# Altium PCB OpenFAN_Base_Pi2040.PcbDoc
Units mm, origin at the board's own origin, x right, y up, seen from the top; angles counter-clockwise.
Board outline 70.88 x 53.47 mm, 2 copper layers (Top Layer, Bottom Layer), stack 1.57 mm thick; 97 components, 62 nets, 344 pads, 67 vias.
Unrouted connection lines stored in the file: 1.
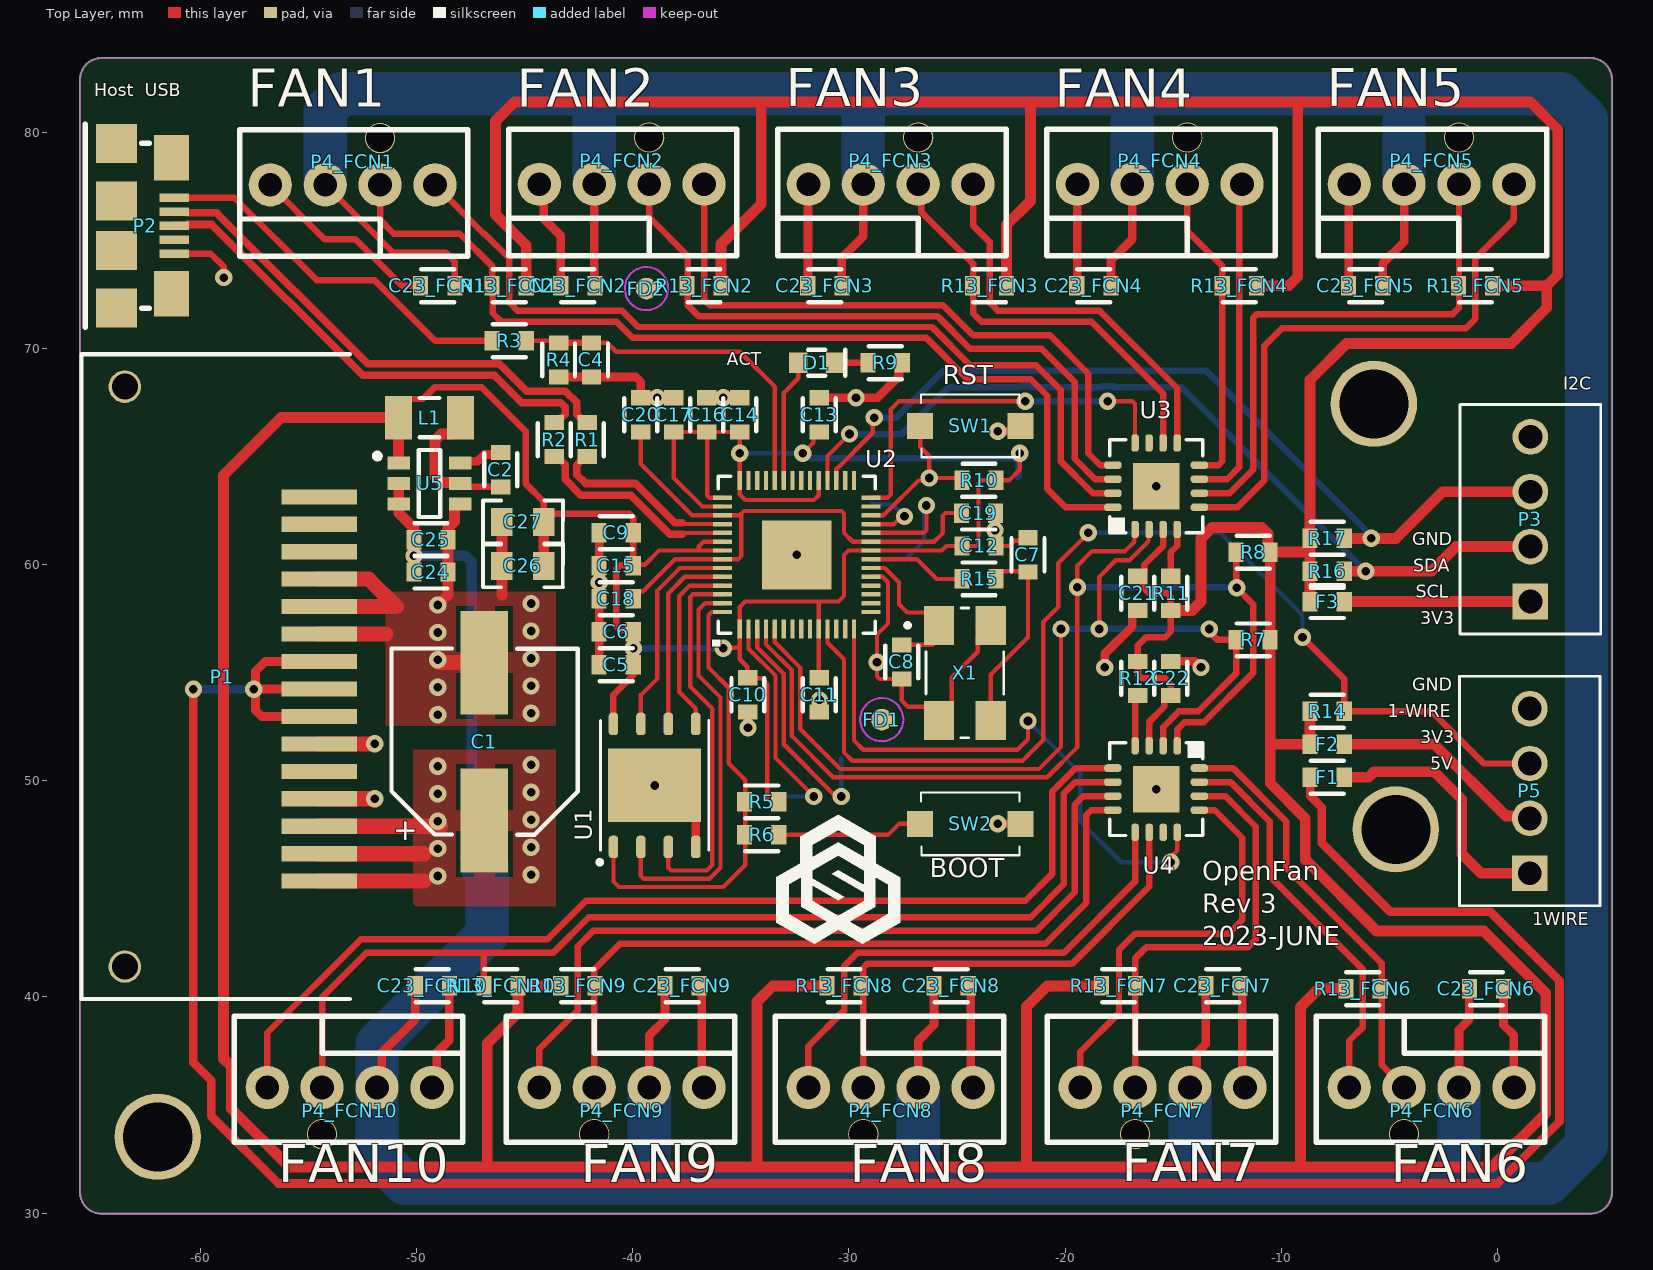
[diagram p0: Top Layer view]
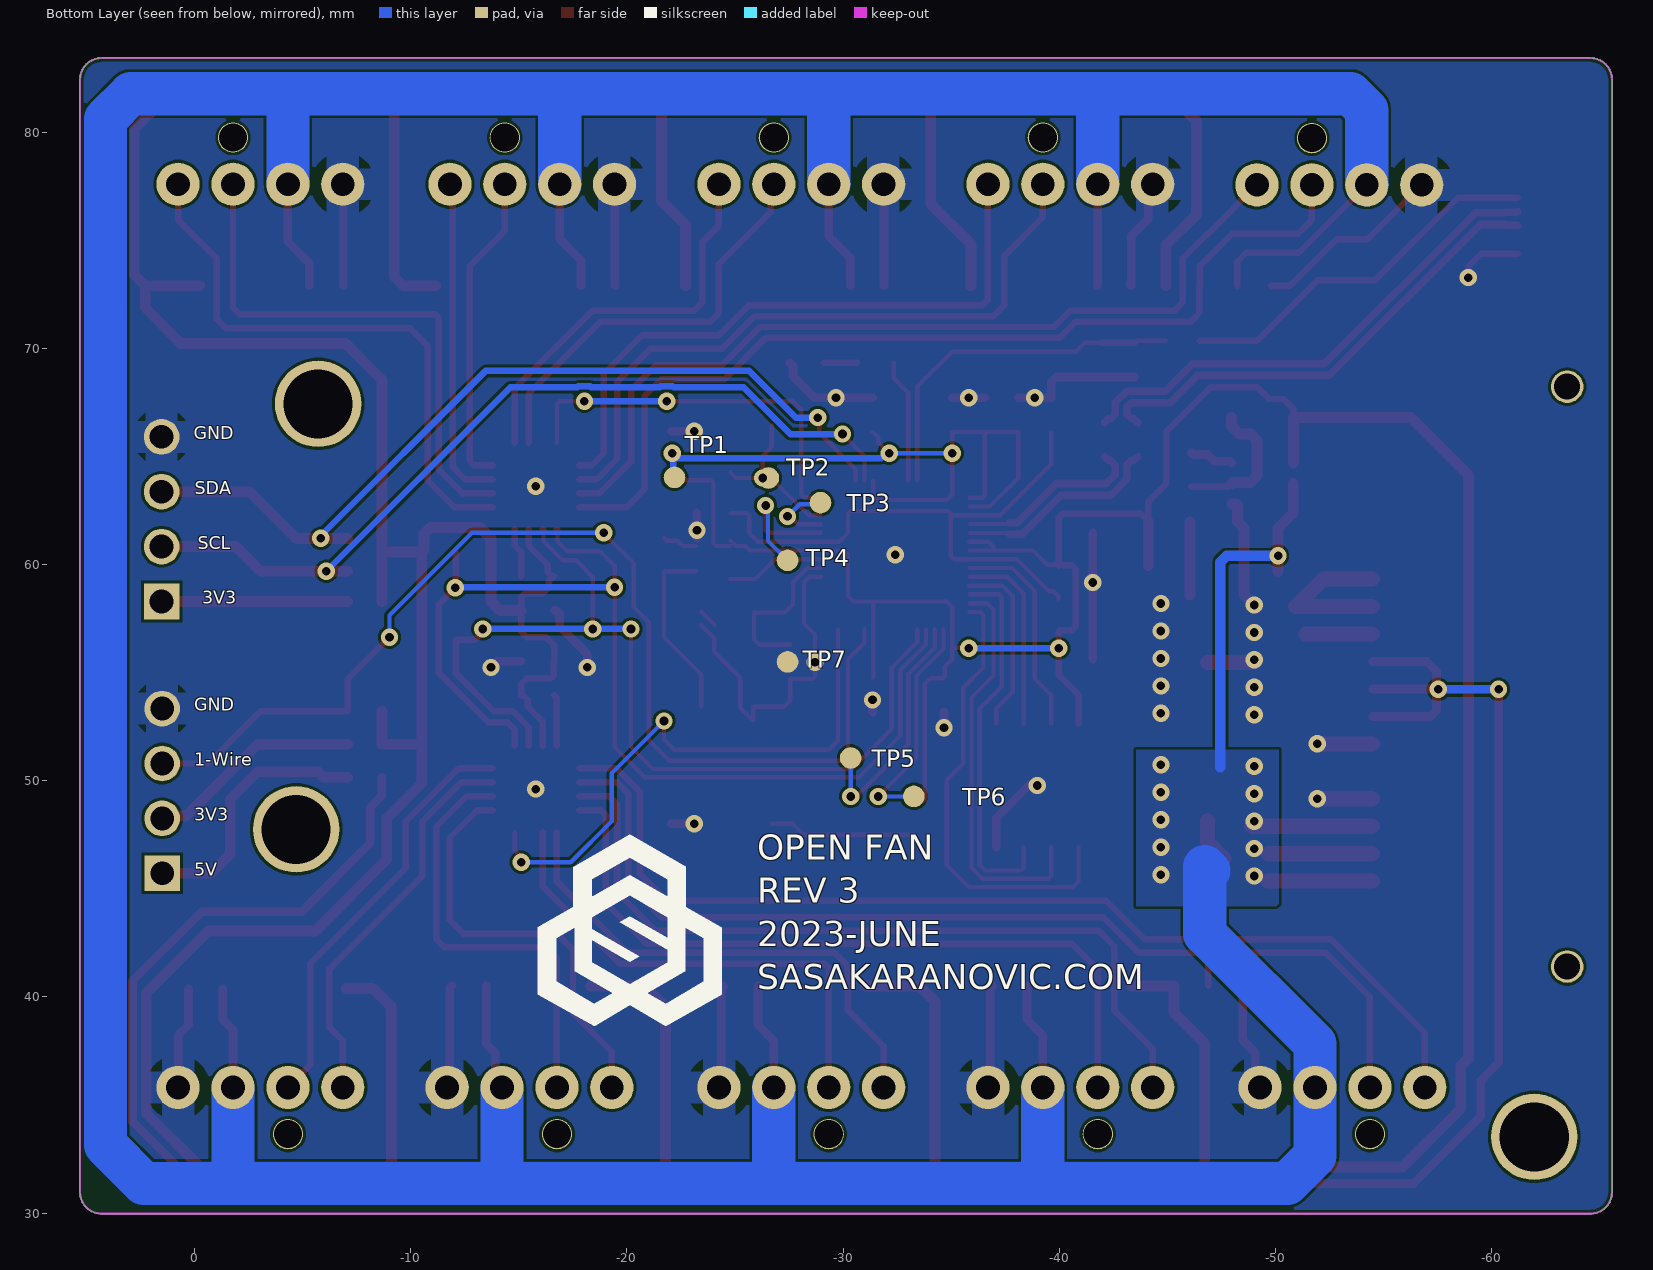
[diagram p1: Bottom Layer view, seen from below]
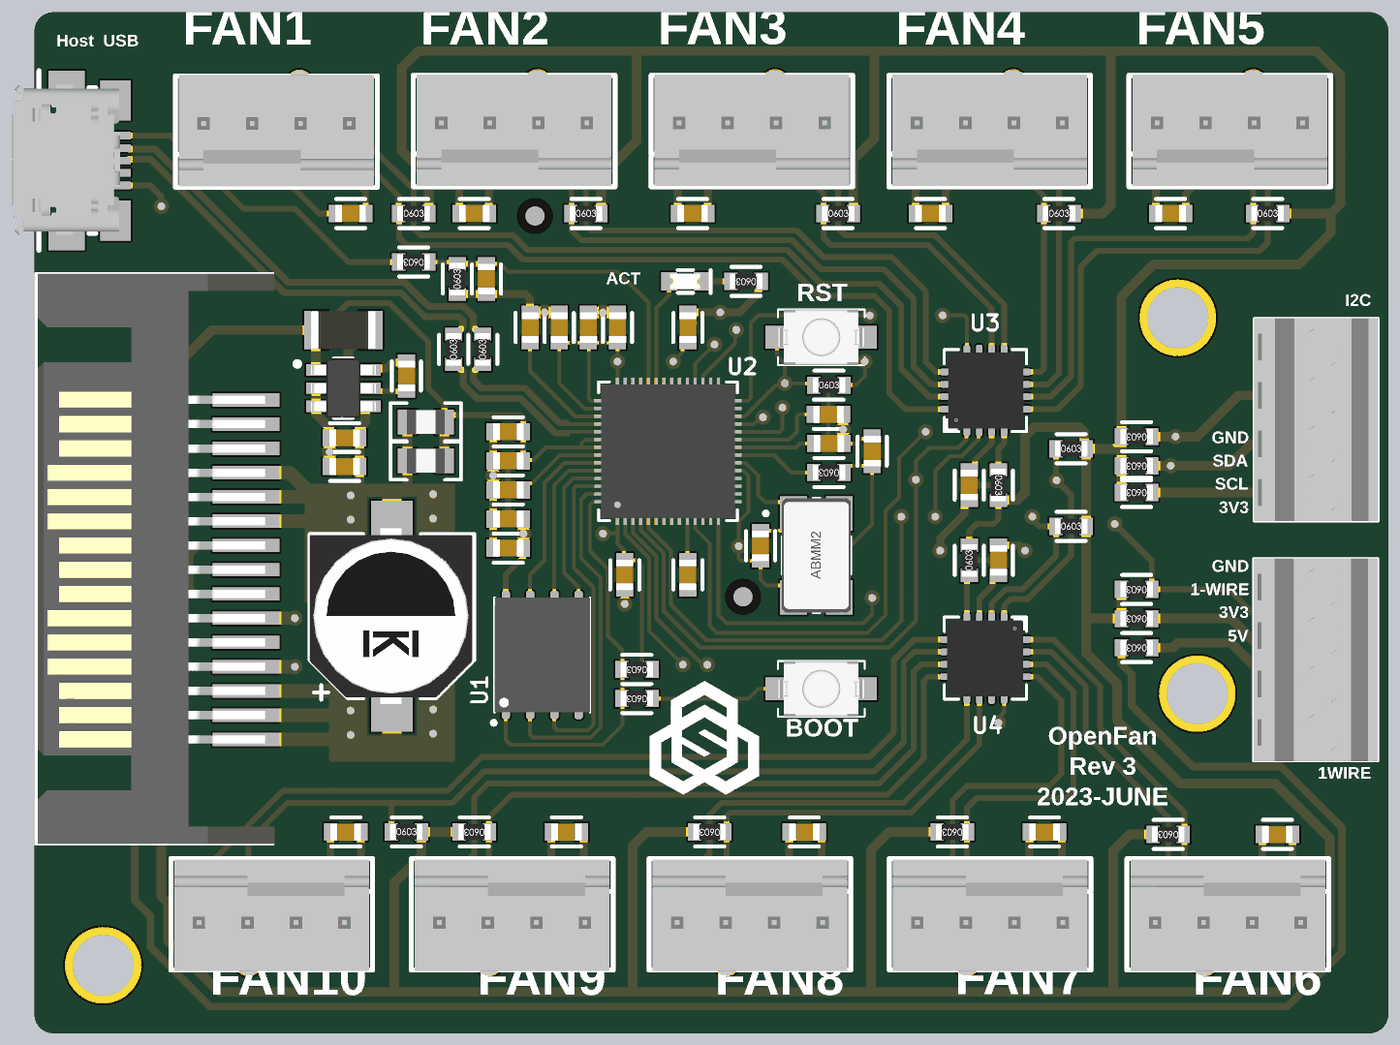
[diagram p2: 3D render of the assembled board from above, using the file's embedded part models]

## Layer stack, top to bottom
Top Solder: solder mask 0.0102, Solder Resist, Dk 3.5
Top Layer: signal copper 0.035
Dielectric 1: dielectric 1.5, FR-4, Dk 4.29
Bottom Layer: signal copper 0.035
Bottom Solder: solder mask 0.0102, Solder Resist, Dk 3.5

## Board outline
-64.574,29.972 cw(c-64.574,30.972) -65.574,30.972 -65.574,82.439 cw(c-64.574,82.439) -64.574,83.439 4.302,83.439 cw(c4.302,82.439) 5.302,82.439 5.302,30.972 cw(c4.302,30.972) 4.302,29.972

## Design rules (kind name [scope] priority, off if disabled: settings)
Clearance Clearance_1 [InNamedPolygon('GND_L04_P005')] p1: gap=0.3 ignorepadtopadclearanceinfootprint=FALSE
Clearance [All] p2: gap=0.127 ignorepadtopadclearanceinfootprint=FALSE
DiffPairsRouting DiffPairsRouting_1 [InDifferentialPairClass('USB')] p1: maxlimit=0.185 minlimit=0.185 mostfreqgap=0.185 toplayer_minwidth=0.35 toplayer_maxwidth=0.35 toplayer_prefwidth=0.35 bottomlayer_minwidth=0.35 bottomlayer_maxwidth=0.35 bottomlayer_prefwidth=0.35 impedanceprofiledriven=TRUE impedanceprofileid={943AB626-DB23-40CF-9A72-3136BF07F0CD} impedanceprofilevalue=90.000000 maxuncoupledlength=12.7
DiffPairsRouting [InDifferentialPair('USB') or InDifferentialPair('USB_MCU')] p2: maxlimit=0.185 minlimit=0.185 mostfreqgap=0.185 toplayer_minwidth=0.35 toplayer_maxwidth=0.35 toplayer_prefwidth=0.35 bottomlayer_minwidth=0.35 bottomlayer_maxwidth=0.35 bottomlayer_prefwidth=0.35 impedanceprofiledriven=TRUE impedanceprofileid={943AB626-DB23-40CF-9A72-3136BF07F0CD} impedanceprofilevalue=90.000000 maxuncoupledlength=12.7
HoleSize [All] p1: absolutevalues=TRUE maxlimit=50 minlimit=0.4 maxpercent=80.000 minpercent=20.000
MinimumSolderMaskSliver [All] p1 off: minsoldermaskwidth=0.1
PlaneConnect [All] p1: pad.planeconnectstyle=Relief pad.reliefexpansion=0.508 pad.reliefentries=4 pad.reliefconductorwidth=0.254 pad.reliefairgap=0.254 via.planeconnectstyle=Direct via.reliefexpansion=0.508 via.reliefentries=4 via.reliefconductorwidth=0.254 via.reliefairgap=0.254
PolygonConnect PolygonConnect_1 [All] p1: thpad.connectstyle=Relief thpad.reliefconductorwidth=1.5 thpad.reliefentries=4 thpad.polygonreliefangle="90 Angle" thpad.airgapwidth=0.5 smdpad.connectstyle=Relief smdpad.reliefconductorwidth=1 smdpad.reliefentries=4 smdpad.polygonreliefangle="90 Angle" smdpad.airgapwidth=0.2 via.connectstyle=Direct via.reliefconductorwidth=0.254 via.reliefentries=4 via.polygonreliefangle="90 Angle" via.airgapwidth=0.254
RoutingVias [All] p1: holewidth=0.8 width=0.8 viastyle="Through Hole" minholewidth=0.3 minwidth=0.6 maxholewidth=0.4 maxwidth=50
SilkToSilkClearance [All] p1 off: silktosilkclearance=0.1
SilkToSolderMaskClearance [IsPad] p1 off: minsilkscreentomaskgap=0.1 clearancetoexposedcopper=TRUE
SolderMaskExpansion [All] p1: expansion=0.102 istentingtop=FALSE
Width [All] p1: maxlimit=50 minlimit=0.154 preferedwidth=0.2
24 further rules are at their usual default settings.

## Classes and differential pairs
differential pair class USB: USB_CON
component class 01_Top: FD1 FD2
component class Sensors: F1 F2 F3 P3 P5 R14 R16 R17
channel class 05_FAN_CONNECTORS: FCN1 FCN2 FCN3 FCN4 FCN5 FCN6 FCN7 FCN8 FCN9 FCN10
net class TACH[1..10]: TACH1 TACH2 TACH3 TACH4 TACH5 TACH6 TACH7 TACH8 TACH9 TACH10
net class PWM[1..10]: PWM1 PWM2 PWM3 PWM4 PWM5 PWM6 PWM7 PWM8 PWM9 PWM10
component class Power: C1 C2 C4 C24 C25 C26 C27 L1 P1 P2 R1 R2 R3 R4 U5
component class MCU: C5 C6 C7 C8 C9 C10 C11 C12 C13 C14 C15 C16 C17 C18 C19 C20 D1 R5 R6 R7 R8 R9 R10 R15 SS SW1 SW2 TP1 TP2 TP3 TP4 TP5 TP6 TP7 U1 U2 X1
component class FCN10: C23_FCN10 P4_FCN10 R13_FCN10
component class FCN9: C23_FCN9 P4_FCN9 R13_FCN9
component class FCN8: C23_FCN8 P4_FCN8 R13_FCN8
component class FCN7: C23_FCN7 P4_FCN7 R13_FCN7
component class FCN6: C23_FCN6 P4_FCN6 R13_FCN6
component class FCN5: C23_FCN5 P4_FCN5 R13_FCN5
component class FCN4: C23_FCN4 P4_FCN4 R13_FCN4
component class FCN3: C23_FCN3 P4_FCN3 R13_FCN3
component class FCN2: C23_FCN2 P4_FCN2 R13_FCN2
component class FCN1: C23_FCN1 P4_FCN1 R13_FCN1
component class "Fan Drivers": C21 C22 R11 R12 U3 U4
differential pair USB: +USB_P -USB_N
differential pair USB_CON: +USB_CON_P -USB_CON_N

## Components (designator, comment, footprint, x,y, rotation, side; value= is the part's Value field where it differs from the comment)
C1 "Cap - 220uF 20V" "Capacitor - 8mm Radial Can - SMT" -46.863,51.816 r90 top value=220uF
C2 "Cap" "0603 - CAP" -46.101,64.389 r270 top value=100nF
C4 "Cap" "0603 - CAP" -41.91,69.469 r90 top value=100nF
C5 "Cap" "0603 - CAP" -40.767,55.372 r0 top value=2u2
C6 "Cap" "0603 - CAP" -40.767,56.896 r0 top value=100nF
C7 "Cap" "0603 - CAP" -21.717,60.452 r270 top value=8p
C8 "Cap" "0603 - CAP" -27.559,55.499 r90 top value=8p
C9 "Cap" "0603 - CAP" -40.767,61.468 r0 top value=2u2
C10 "Cap" "0603 - CAP" -34.671,53.975 r90 top value=100nF
C11 "Cap" "0603 - CAP" -31.369,53.975 r90 top value=100nF
C12 "Cap" "0603 - CAP" -23.982,60.863 r180 top value=100nF
C13 "Cap" "0603 - CAP" -31.369,66.929 r270 top value=100nF
C14 "Cap" "0603 - CAP" -35.052,66.929 r270 top value=100nF
C15 "Cap" "0603 - CAP" -40.767,59.944 r0 top value=100nF
C16 "Cap" "0603 - CAP" -36.576,66.929 r270 top value=100nF
C17 "Cap" "0603 - CAP" -38.1,66.929 r270 top value=100nF
C18 "Cap" "0603 - CAP" -40.767,58.42 r0 top value=100nF
C19 "Cap" "0603 - CAP" -24.008,62.387 r180 top value=100nF
C20 "Cap" "0603 - CAP" -39.624,66.929 r270 top value=2u2
C21 "Cap" "0603 - CAP" -16.637,58.674 r90 top value=100n
C22 "Cap" "0603 - CAP" -15.113,54.737 r270 top value=100n
C23_FCN1 "Cap" "0603 - CAP" -49.022,72.898 r0 top value=1u (schematic designator C23)
C23_FCN2 "Cap" "0603 - CAP" -42.545,72.898 r0 top value=1u (schematic designator C23)
C23_FCN3 "Cap" "0603 - CAP" -31.115,72.898 r0 top value=1u (schematic designator C23)
C23_FCN4 "Cap" "0603 - CAP" -18.669,72.898 r0 top value=1u (schematic designator C23)
C23_FCN5 "Cap" "0603 - CAP" -6.096,72.898 r0 top value=1u (schematic designator C23)
C23_FCN6 "Cap" "0603 - CAP" -0.508,40.386 r180 top value=1u (schematic designator C23)
C23_FCN7 "Cap" "0603 - CAP" -12.7,40.513 r180 top value=1u (schematic designator C23)
C23_FCN8 "Cap" "0603 - CAP" -25.273,40.513 r180 top value=1u (schematic designator C23)
C23_FCN9 "Cap" "0603 - CAP" -37.719,40.513 r180 top value=1u (schematic designator C23)
C23_FCN10 "Cap" "0603 - CAP" -49.276,40.513 r180 top value=1u (schematic designator C23)
C24 "Cap" "0603 - CAP" -49.335,59.658 r180 top value=100nF
C25 "Cap" "0603 - CAP" -49.335,61.156 r180 top value=10uF
C26 "Cap" 0805 -45.085,59.944 r0 top value=22uF
C27 "Cap" 0805 -45.085,61.976 r0 top value=22uF
D1 "LED" "0603 Diode" -31.496,69.342 r0 top
F1 "Fuse Thermal" 0603 -7.874,50.165 r180 top
F2 "Fuse Thermal" 0603 -7.874,51.689 r180 top
F3 "Fuse Thermal" 0603 -7.874,58.293 r180 top
FD1 "Fiducial 1mm" Fiducial-1mm -28.481,52.829 r0 top
FD2 "Fiducial 1mm" Fiducial-1mm -39.37,72.771 r0 top
L1 "Inductor" INDC3218X20N -49.403,66.802 r180 top value=4u7H
P1 "SATA Power" SATA-Power_SMT -55,54.817 r270 top locked
P2 "USB Connector" "Amphenol FCI 10118192-0001LF" -63.889,75.677 r270 top locked
P3 "1546215-4" TE_1546215-4 1.524,62.103 r90 top
P4_FCN1 "WM4330-ND" FAN_CONNECTOR_4PIN -52.959,77.569 r180 top locked (schematic designator P4)
P4_FCN2 "WM4330-ND" FAN_CONNECTOR_4PIN -40.513,77.597 r180 top locked (schematic designator P4)
P4_FCN3 "WM4330-ND" FAN_CONNECTOR_4PIN -28.067,77.597 r180 top locked (schematic designator P4)
P4_FCN4 "WM4330-ND" FAN_CONNECTOR_4PIN -15.621,77.597 r180 top locked (schematic designator P4)
P4_FCN5 "WM4330-ND" FAN_CONNECTOR_4PIN -3.048,77.597 r180 top locked (schematic designator P4)
P4_FCN6 "WM4330-ND" FAN_CONNECTOR_4PIN -3.048,35.814 r0 top locked (schematic designator P4)
P4_FCN7 "WM4330-ND" FAN_CONNECTOR_4PIN -15.494,35.814 r0 top locked (schematic designator P4)
P4_FCN8 "WM4330-ND" FAN_CONNECTOR_4PIN -28.067,35.814 r0 top locked (schematic designator P4)
P4_FCN9 "WM4330-ND" FAN_CONNECTOR_4PIN -40.513,35.814 r0 top locked (schematic designator P4)
P4_FCN10 "WM4330-ND" FAN_CONNECTOR_4PIN -53.102,35.814 r0 top locked (schematic designator P4)
P5 "1546215-4" TE_1546215-4 1.5,49.53 r90 top
R1 "Res" 0603 -42.103,65.784 r90 top value=27R
R2 "Res" 0603 -43.627,65.784 r90 top value=27R
R3 "Res" 0603 -45.72,70.358 r180 top value=4K7
R4 "Res" 0603 -43.434,69.469 r90 top value=10K
R5 "Res" 0603 -34.036,49.022 r180 top value=10K
R6 "Res" 0603 -34.036,47.498 r180 top value=1K
R7 "Res" 0603 -11.303,56.515 r0 top value=2K2
R8 "Res" 0603 -11.303,60.579 r0 top value=2K2
R9 "Res" 0603 -28.321,69.342 r180 top value=470R
R10 "Res" 0603 -23.982,63.911 r0 top value=2K2
R11 "Res" 0603 -15.113,58.674 r270 top value=10K
R12 "Res" 0603 -16.637,54.737 r90 top value=15K
R13_FCN1 "Res" 0603 -45.72,72.898 r0 top value=100K (schematic designator R13)
R13_FCN2 "Res" 0603 -36.703,72.898 r0 top value=100K (schematic designator R13)
R13_FCN3 "Res" 0603 -23.495,72.898 r0 top value=100K (schematic designator R13)
R13_FCN4 "Res" 0603 -11.938,72.898 r0 top value=100K (schematic designator R13)
R13_FCN5 "Res" 0603 -1.016,72.898 r0 top value=100K (schematic designator R13)
R13_FCN6 "Res" 0603 -6.223,40.386 r180 top value=100K (schematic designator R13)
R13_FCN7 "Res" 0603 -17.526,40.513 r180 top value=100K (schematic designator R13)
R13_FCN8 "Res" 0603 -30.226,40.513 r180 top value=100K (schematic designator R13)
R13_FCN9 "Res" 0603 -42.545,40.513 r180 top value=100K (schematic designator R13)
R13_FCN10 "Res" 0603 -46.101,40.513 r0 top value=100K (schematic designator R13)
R14 "Res" 0603 -7.874,53.213 r180 top value=2K2
R15 "Res" 0603 -23.982,59.339 r180 top value=1K
R16 "Res" 0603 -7.874,59.69 r180 top value=2K2
R17 "Res" 0603 -7.874,61.214 r180 top value=2K2
SW1 "Switch" Switch-TL1015AF160QG -24.384,66.421 r180 top
SW2 "Switch" Switch-TL1015AF160QG -24.384,48.006 r180 top
TP1 "Test Point" TP_SMD_1mm -22.201,64.034 r90 bottom
TP2 "Test Point" TP_SMD_1mm -26.543,64.008 r90 bottom
TP3 "Test Point" TP_SMD_1mm -28.956,62.865 r90 bottom
TP4 "Test Point" TP_SMD_1mm -27.432,60.198 r90 bottom
TP5 "Test Point" TP_SMD_1mm -30.353,51.054 r90 bottom
TP6 "Test Point" TP_SMD_1mm -33.274,49.276 r90 bottom
TP7 "Test Point" TP_SMD_1mm -27.432,55.499 r90 bottom
U1 "W25Q32JVZPIQ" SON127P600X500X80-9N -38.989,49.784 r90 top
U2 "Raspberry Pi Pico" IC57_RP2040 -32.41,60.452 r90 top locked
U3 "EMC2305-1-AP-TR" QFN16 -15.789,63.627 r90 top
U4 "EMC2305-1-AP-TR" QFN16 -15.789,49.616 r270 top
U5 "AP63203WU-7" SOT95P270X145-6N-SOT-236 -49.403,63.754 r0 top
X1 "12MHz" XTAL_ABMM2-12.000MHZ-E2-T -24.638,54.991 r270 top

## Footprints (in the part's own frame and the unit in brackets; to place one, negate y for a bottom-side part, rotate by r counter-clockwise, add the part's x,y. Pads: shape width x height; smd on the part's side, far side on the other; paste and mask are expansions set on the pad)
0603 [mm]
  rect 0.7x0.9 smd: 1(-0.79,0) 2(0.79,0)
  silkscreen extent -0.76,-0.76 0.76,0.76, body extent -0.85,-0.4 0.85,0.4, height 0.56
"0603 - CAP" [mm]
  rect 0.7x0.9 smd: 1(-0.79,0) 2(0.79,0)
  silkscreen extent -0.76,-0.76 0.76,0.76, body extent -0.8,-0.44 0.8,0.46, height 0.8
"0603 Diode" [mm] "0603 Package for Diode"
  rect 0.85x0.95 smd: A(-0.85,0) K(0.85,0)
  silkscreen extent -0.4,-0.6 1.32,0.6, body extent -0.8,-0.4 0.8,0.4, height 0.7
0805 [mm]
  rect 1x1.3 smd: 1(-0.97,0) 2(0.97,0)
  silkscreen extent -1.85,-0.99 1.85,0.99, body extent -1,-0.65 1,0.66, height 0.73
"Amphenol FCI 10118192-0001LF" [mm]
  rect 0.4x1.35 smd: 1(-1.3,2.675) 2(-0.65,2.675) 3(0,2.675) 4(0.65,2.675) 5(1.3,2.675)
  rect 1.8x1.9 smd: 6(-3.8,0) 7(3.8,0) ""(-1.15,0) ""(1.15,0)
  rect 2.1x1.6 smd: ""(-3.15,2.55) ""(3.15,2.55)
  silkscreen extent -4.7,-1.45 4.7,1.52, body extent -3.98,-2.87 3.93,2.79, height 3.09
"Capacitor - 8mm Radial Can - SMT" [mm]
  rect 4.8x2.2 smd: 1(-3.65,0) 2(3.65,0)
  silkscreen extent -4.31,-4.31 4.3,4.3, body extent -4.6,-4.2 4.6,4.3, height 7
FAN_CONNECTOR_4PIN [mm] "4 Pin PC Fan Connector Header"
  round 2 hole 1.1: 1(3.81,0) 2(1.27,0) 3(-1.27,0) 4(-3.81,0)
  round 1.4 hole 1.3: ""(-1.27,-2.16)
  silkscreen extent -5.33,-2.54 5.23,3.3, body extent -5.15,-2.59 5.05,3.25, height 10
Fiducial-1mm [mm]
  round 1 smd mask+0.45: ""(0,0)
  Top Layer keep-out circle w0.1: c0,0 r1
IC57_RP2040 [mm]
  rect 0.875x0.2 smd paste-0.025 mask-0.015: 1(-3.434,2.642) 2(-3.434,2.235) 3(-3.434,1.829) 4(-3.434,1.422) 5(-3.434,1.016) 6(-3.434,0.61) 7(-3.434,0.203) 8(-3.434,-0.203) 9(-3.434,-0.61) 10(-3.434,-1.016) 11(-3.434,-1.422) 12(-3.434,-1.829) 13(-3.434,-2.235) 14(-3.434,-2.642) 29(3.434,-2.642) 30(3.434,-2.235) 31(3.434,-1.829) 32(3.434,-1.422) 33(3.434,-1.016) 34(3.434,-0.61) 35(3.434,-0.203) 36(3.434,0.203) 37(3.434,0.61) 38(3.434,1.016) 39(3.434,1.422) 40(3.434,1.829) 41(3.434,2.235) 42(3.434,2.642)
  rect 0.2x0.875 smd paste-0.025 mask-0.015: 15(-2.642,-3.434) 16(-2.235,-3.434) 17(-1.829,-3.434) 18(-1.422,-3.434) 19(-1.016,-3.434) 20(-0.61,-3.434) 21(-0.203,-3.434) 22(0.203,-3.434) 23(0.61,-3.434) 24(1.016,-3.434) 25(1.422,-3.434) 26(1.829,-3.434) 27(2.235,-3.434) 28(2.642,-3.434) 43(2.642,3.434) 44(2.235,3.434) 45(1.829,3.434) 46(1.422,3.434) 47(1.016,3.434) 48(0.61,3.434) 49(0.203,3.434) 50(-0.203,3.434) 51(-0.61,3.434) 52(-1.016,3.434) 53(-1.422,3.434) 54(-1.829,3.434) 55(-2.235,3.434) 56(-2.642,3.434)
  rect 3.2x3.2 smd paste-1.6 mask+0: 57(0,0)
  silkscreen extent -3.63,-3.63 3.63,3.63, body extent -3.5,-3.5 3.5,3.5, height 0.89
INDC3218X20N [mm] "Chip Inductor, 2-Leads, Body 3.20x1.80mm, IPC Medium Density"
  rect 1.23x2.02 smd: 1(-1.435,0) 2(1.435,0)
  silkscreen extent -0.45,-0.91 0.45,0.91, body extent -1.7,-1 1.7,1, height 2
QFN16 [mm]
  rrect75% 0.8x0.35 smd: 1(-2,0.975) 2(-2,0.325) 3(-2,-0.325) 4(-2,-0.975) 9(2,-0.975) 10(2,-0.325) 11(2,0.325) 12(2,0.975)
  rrect75% 0.35x0.8 smd: 5(-0.975,-2) 6(-0.325,-2) 7(0.325,-2) 8(0.975,-2) 13(0.975,2) 14(0.325,2) 15(-0.325,2) 16(-0.975,2)
  rect 2.15x2.15 smd: 17(0,0)
  silkscreen extent -2.15,-2.15 2.15,2.15, body extent -2,-2.02 2,1.98, height 0.92
SATA-Power_SMT [mm]
  rect 0.7x3.5 smd: 1(-8.32,0.5) 2(-7.05,0.5) 3(-5.78,0.5) 4(-4.51,0.5) 5(-3.24,0.5) 6(-1.97,0.5) 7(-0.7,0.5) 8(0.57,0.5) 9(1.84,0.5) 10(3.11,0.5) 11(4.38,0.5) 12(5.65,0.5) 13(6.92,0.5) 14(8.19,0.5) 15(9.46,0.5)
  round 1.5 hole 1.2: ""(-13.415,-8.5) ""(13.415,-8.5)
  silkscreen extent -14.91,-10.5 14.91,1.9, body extent -14.93,-10.4 14.93,2, height 4.5
SON127P600X500X80-9N [mm]
  rrect70% 1.04x0.44 smd: 1(-2.845,1.905) 2(-2.845,0.635) 3(-2.845,-0.635) 4(-2.845,-1.905) 5(2.845,-1.905) 6(2.845,-0.635) 7(2.845,0.635) 8(2.845,1.905)
  rect 3.4x4.3 smd paste-3: 9(0,0)
  silkscreen extent -3.66,-2.5 3,2.64, body extent -3,-2.5 3,2.5, height 0.8
SOT95P270X145-6N-SOT-236 [mm] "SOT23, 6-Leads, Body 2.90x2.70mm, Pitch 0.95mm, IPC Medium Density"
  rect 1.05x0.6 smd: 1(-1.425,0.95) 2(-1.425,0) 3(-1.425,-0.95) 4(1.425,-0.95) 5(1.425,0) 6(1.425,0.95)
  silkscreen extent -2.54,-1.55 0.5,1.55, body extent -1.7,-1.55 1.7,1.55, height 1.45
Switch-TL1015AF160QG [mm] "SWITCH TACTILE SPST-NO 0.05A 12V"
  rect 1.2x1.2 smd: 1(-2.32,0) 2(2.32,0)
  silkscreen extent -2.27,-1.45 2.27,1.45, body extent -2.25,-1.45 2.25,1.45, height 2.55
TE_1546215-4 [mm]
  rect 1.65x1.65 hole 1.1: 1(-3.81,0)
  round 1.65 hole 1.1: 2(-1.27,0) 3(1.27,0) 4(3.81,0)
  silkscreen extent -5.31,-3.25 5.31,3.25, body extent -5.31,-3.25 5.31,3.25, height 10
TP_SMD_1mm [mm]
  round 1 smd: 1(0,0)
XTAL_ABMM2-12.000MHZ-E2-T [mm]
  rect 1.8x1.4 smd: 1(-2.2,-1.2) 2(2.2,-1.2) 3(2.2,1.2) 4(-2.2,1.2)
  silkscreen extent -3,-2.75 3,1.8, body extent -3,-1.8 3,1.8, height 1.2
